# Allegro board T736_DEMO_CORE_AXP8191_LP4_4X_32X1_V0_5-draft.brd (continued)
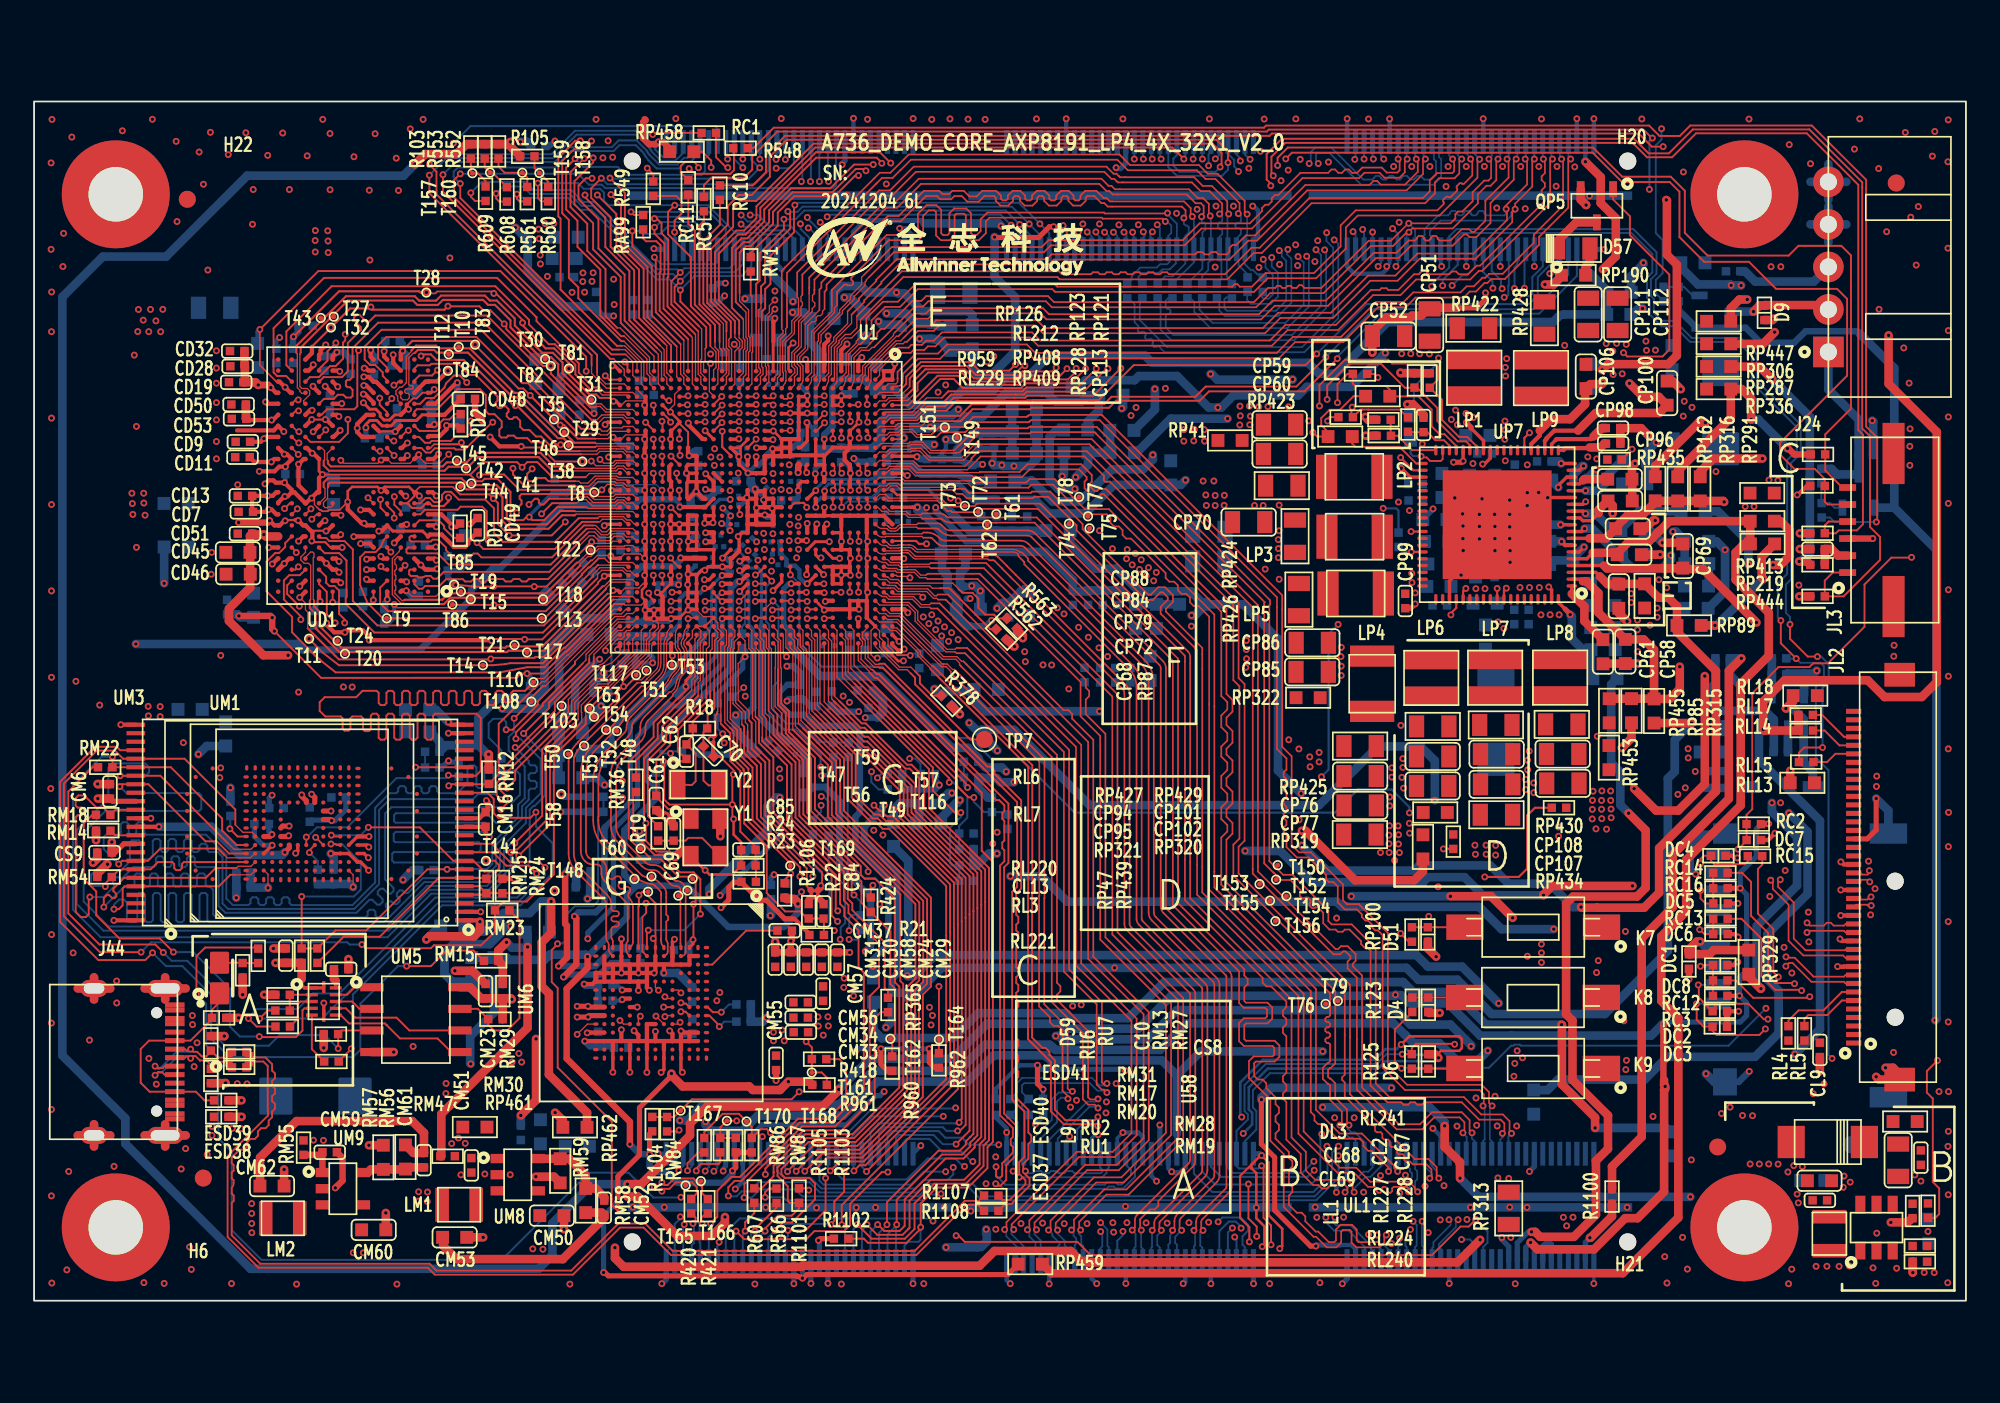
[diagram p0: board, top side]
## Routing (per net, layer and track width the routed paths; a pad name or vN(x,y) marks a point on that pad's centre or on a via; arc(x,y) is an arc through that point) (continued)
MCSIB-D0N-1: length 62.4
  TOP w0.076: 53.3,47.14 53.26,47.18 50.24,47.18 50.17,47.24 50.17,47.25 50.03,47.4 50.02,47.4 49.67,47.4 U1.C16
  TOP w0.102: v1(77.56,6.38) 77.47,6.47 77.47,6.78 77.14,7.11 75.27,7.11 74.72,7.66 74.72,8.75 73.88,9.6 73.88,17.71 67.92,23.67 67.92,25.81 67.92,37.45 67.92,37.45 67.92,37.87 arc(67.89,38.03) 67.8,38.16 59.1,46.86 55.4,46.86 55.26,46.71 54.7,46.71 T73.1 54.64,46.68 54.04,46.68 53.99,46.73 53.71,46.73 53.3,47.14
  BOTTOM w0.102: v1(77.56,6.38) 77.56,6.6 78.24,7.28 78.51,7.28 79.14,7.91 J48.129
MCSIB-D0P-1: length 62.5
  TOP w0.076: 53.34,46.74 53.32,46.76 53.32,46.78 53.07,47.03 50.17,47.03 50.05,47.15 U1.B16
  TOP w0.102: T72.1 55.48,46.39 55.48,46.51 ; 53.34,46.74 53.65,46.42 53.87,46.42 53.94,46.36 55.33,46.36 55.48,46.51 ; 55.48,46.51 55.52,46.55 58.98,46.55 67.59,37.94 arc(67.61,37.91) 67.62,37.87 67.62,37.58 67.62,25.94 67.62,25.94 67.62,23.54 72.18,18.98 72.18,18.69 72.4,18.48 72.68,18.48 73.57,17.59 73.57,17.26 73.37,17.06 73.37,16.76 73.57,16.56 73.57,16.25 73.37,16.05 73.37,15.75 73.57,15.55 73.57,13.4 73.37,13.2 73.37,12.89 73.57,12.69 73.57,12.39 73.37,12.18 73.37,11.88 73.57,11.68 73.57,9.47 74.42,8.62 74.42,7.53 75.15,6.8 75.45,6.8 75.65,6.6 75.96,6.6 76.16,6.8 77.01,6.8 77.16,6.65 77.16,6.52 v1(77.02,6.38)
  BOTTOM w0.102: v1(77.02,6.38) 77.14,6.5 77.14,6.61 78.11,7.59 78.39,7.59 78.64,7.84 J48.127
MCSIB-D1N-1: length 67
  TOP w0.076: 54.26,47.74 54.12,47.74 54.04,47.82 51,47.82 50.76,48.05 50.25,48.05 50.1,47.9 49.67,47.9 U1.C15
  TOP w0.102: T75.1 62.01,45.32 61.83,45.14 ; 61.83,45.14 65.46,41.5 65.59,41.5 65.61,41.5 66.05,41.94 66.44,41.94 66.68,41.71 66.91,41.48 66.91,41.08 66.49,40.66 66.49,40.52 68.28,38.73 68.63,38.38 68.63,38 68.63,38 68.63,37.16 68.63,25.52 68.63,25.52 68.63,24 74.59,18.05 74.59,18.01 74.59,18.01 74.59,9.95 76.72,7.82 77.68,7.82 78.5,7 80.78,7 81.11,6.67 81.11,6.58 v1(81.29,6.4) ; 61.83,45.14 61.6,45.36 61.6,45.66 59.7,47.57 58.63,47.57 58.55,47.49 56.82,47.49 56.82,47.48 54.92,47.48 54.67,47.74 54.26,47.74
  BOTTOM w0.102: J48.137 81.14,7.74 81.26,7.62 81.26,7.14 81.14,7.02 81.14,6.55 v1(81.29,6.4)
MCSIB-D1P-1: length 66.9
  TOP w0.076: 54.21,47.43 53.98,47.66 50.93,47.66 50.7,47.9 50.31,47.9 50.06,47.65 U1.B15
  TOP w0.102: T74.1 60.8,45.76 60.94,45.89 ; v1(80.75,6.4) 80.78,6.43 80.78,6.57 80.65,6.69 79.88,6.69 79.79,6.6 79.79,6.44 79.7,6.35 79.57,6.35 79.48,6.44 79.48,6.6 79.39,6.69 79.27,6.69 79.18,6.6 79.18,6.44 79.09,6.35 78.96,6.35 78.87,6.44 78.87,6.6 78.78,6.69 78.37,6.69 77.55,7.51 76.59,7.51 74.28,9.82 74.28,17.88 74.28,17.88 74.28,17.92 68.33,23.87 68.33,25.64 68.33,25.64 68.33,37.28 68.33,38.25 66.19,40.39 66.19,40.79 66.6,41.21 66.6,41.35 66.32,41.64 66.17,41.64 65.73,41.2 65.72,41.2 65.34,41.2 61.25,45.29 61.25,45.58 60.94,45.89 ; 60.94,45.89 59.91,46.92 59.57,47.26 58.76,47.26 58.68,47.18 56.95,47.18 56.94,47.18 54.8,47.18 54.54,47.43 54.21,47.43
  BOTTOM w0.102: v1(80.75,6.4) 80.83,6.49 80.83,7.14 80.96,7.26 80.96,7.49 80.83,7.61 80.83,7.75 80.64,7.94 J48.135
MCSIB-D2N-1: length 62.9
  TOP w0.076: 55.56,48.72 55.52,48.68 51.85,48.68 51.48,49.05 50.26,49.05 50.17,48.96 50.16,48.96 50.1,48.9 49.67,48.9 U1.C13
  TOP w0.102: 76.45,17.62 76.45,18.2 70.05,24.59 70.05,24.93 70.05,24.93 70.05,27.1 70.41,27.46 70.41,28.09 70.05,28.44 70.05,28.88 70.41,29.23 70.41,29.93 70.05,30.28 70.05,30.72 70.41,31.07 70.41,31.76 70.05,32.11 70.05,32.45 70.41,32.81 70.41,33.49 70.05,33.85 70.05,34.28 70.41,34.63 70.41,35.32 70.05,35.68 70.05,40.64 62.97,47.72 62.57,47.72 62.45,47.6 62.31,47.6 62.02,47.89 62.02,48.03 62.14,48.15 62.14,48.55 61.51,49.18 58.36,49.18 57.91,48.72 55.56,48.72 ; 76.45,17.62 T79.1 ; 76.45,17.62 76.45,17.62 76.45,13.95 76.17,13.67 76.13,13.67 76.02,13.57 76.02,13.16 76.13,13.06 76.17,13.06 76.45,12.78 76.45,11.93 77.14,11.24 77.14,10.42 77.24,10.32 v1(77.25,10.32)
  BOTTOM w0.102: v1(77.25,10.32) 77.18,10.25 77.18,10.11 77.39,9.9 77.6,9.9 78.14,9.36 J48.125
MCSIB-D2P-1: length 63
  TOP w0.076: 55.56,48.42 55.44,48.42 55.41,48.44 55.16,48.44 55.11,48.49 51.79,48.49 51.39,48.9 50.32,48.9 50.24,48.81 50.23,48.81 50.06,48.65 U1.B13
  TOP w0.102: T76.1 76.14,17.45 76.14,17.45 ; 55.56,48.42 58.03,48.42 58.49,48.87 61.39,48.87 61.84,48.42 61.84,48.28 61.72,48.16 61.72,47.76 62.19,47.3 62.58,47.3 62.7,47.41 62.84,47.41 69.75,40.51 69.75,35.55 70.1,35.2 70.1,34.76 69.75,34.41 69.75,33.72 70.1,33.37 70.1,32.93 69.75,32.58 69.75,31.99 70.1,31.63 70.1,31.2 69.75,30.84 69.75,30.16 70.1,29.8 70.1,29.36 69.75,29 69.75,28.32 70.1,27.96 70.1,27.58 69.75,27.23 69.75,25.05 69.75,24.46 76.14,18.07 76.14,17.45 ; 76.14,17.45 76.14,16.77 76.05,16.68 75.95,16.68 75.86,16.6 75.86,16.47 75.95,16.38 76.05,16.38 76.14,16.29 76.14,16.16 76.05,16.07 75.95,16.07 75.86,15.99 75.86,15.86 75.95,15.77 76.05,15.77 76.14,15.68 76.14,15.55 76.05,15.47 75.95,15.47 75.86,15.38 75.86,15.25 75.95,15.16 76.05,15.16 76.14,15.07 76.14,14.08 76.04,13.98 76,13.98 75.72,13.7 75.72,13.04 76,12.76 76.04,12.76 76.14,12.66 76.14,11.81 76.83,11.12 76.83,10.43 v1(76.72,10.32)
  BOTTOM w0.102: v1(76.72,10.32) 76.75,10.32 76.88,10.19 76.88,9.98 77.26,9.59 77.47,9.59 77.64,9.43 J48.123
MCSIB-D3N-1: length 66.9
  TOP w0.076: 55.01,49.38 54.69,49.06 51.97,49.06 51.67,49.36 50.06,49.36 50.03,49.4 49.67,49.4 U1.C12
  TOP w0.102: 55.01,49.38 55.08,49.45 55.08,49.53 55.49,49.94 61.85,49.94 70.44,41.35 70.77,41.02 70.77,40.93 70.77,40.93 70.77,36.61 71.12,36.25 71.12,27.04 70.77,26.69 70.77,25.12 72.49,23.4 72.49,23.4 ; 72.49,23.4 77.31,18.57 77.31,15.51 77.31,12.14 81.12,8.33 81.92,8.33 82.4,7.85 82.4,7.33 v1(82.53,7.2) ; 72.49,23.4 T155.1
  BOTTOM w0.102: J48.141 82.14,7.89 82.43,7.6 82.43,7.3 v1(82.53,7.2)
MCSIB-D3P-1: length 67
  TOP w0.076: 55.38,49.4 54.83,48.85 51.97,48.85 51.61,49.21 49.99,49.21 U1.B12
  TOP w0.102: 73.03,22.42 T156.1 ; 73.03,22.42 70.46,24.99 70.46,26.81 70.81,27.17 70.81,36.13 70.46,36.48 70.46,40.8 70.46,40.89 70.31,41.04 63.2,48.16 63.07,48.16 63.06,48.14 62.93,48.14 62.84,48.23 62.84,48.36 62.86,48.37 62.86,48.5 61.72,49.63 55.61,49.63 55.38,49.4 ; 73.03,22.42 77.01,18.45 77.01,15.64 77,15.64 77,13.29 76.85,13.13 76.85,12.98 77,12.83 77,12.02 78.35,10.67 78.35,10.43 78.45,10.34 78.68,10.34 78.78,10.24 78.78,10 78.88,9.91 79.12,9.91 79.21,9.81 79.21,9.57 79.31,9.47 79.55,9.47 79.64,9.38 79.64,9.14 79.74,9.04 79.98,9.04 80.07,8.95 80.07,8.71 80.17,8.61 80.41,8.61 80.51,8.52 80.51,8.28 80.6,8.18 80.84,8.18 80.99,8.03 81.79,8.03 82.1,7.72 82.1,7.3 v1(82,7.2)
  BOTTOM w0.102: J48.139 81.64,7.96 82.13,7.47 82.13,7.33 v1(82,7.2)
MCSIC-CKN-1: length 70.6
  TOP w0.076: 52.79,50.98 52.78,50.98 52.71,50.92 51.9,50.92 51.6,51.22 50.93,51.22 50.76,51.05 50.26,51.05 50.1,50.9 49.67,50.9 U1.C9
  TOP w0.102: 52.79,50.98 52.79,50.98 53.16,51.35 T151.1 53.56,51.35 53.57,51.37 54.59,51.37 55.18,51.96 58.32,51.96 58.36,52 58.39,52 58.47,52.08 62.72,52.08 62.76,52.05 73.33,41.48 73.33,40.64 73.33,32.57 73.88,32.01 73.88,26.8 74.32,26.36 75.01,26.36 76.9,24.47 76.9,23.54 77.13,23.31 77.84,23.31 79.54,21.61 79.54,13.82 80.67,12.69 85.05,12.69 85.48,12.26 85.48,11.64 v1(85.66,11.45)
  BOTTOM w0.102: v1(85.66,11.45) 85.53,11.32 85.53,9.48 85.64,9.37 J48.155
MCSIC-CKP-1: length 70.9
  TOP w0.076: 53.01,50.77 53.01,50.76 51.84,50.76 51.54,51.07 51,51.07 50.83,50.9 50.32,50.9 50.07,50.65 U1.B9
  TOP w0.102: 54.24,51.06 53.7,51.06 53.69,51.04 53.29,51.04 53.01,50.77 ; 54.24,51.06 54.22,51.04 T149.1 ; 54.24,51.06 54.71,51.06 55.31,51.65 58.44,51.65 58.49,51.7 58.52,51.7 58.6,51.77 62.6,51.77 73.02,41.35 73.02,40.76 73.02,32.44 73.58,31.88 73.58,31.23 73.41,31.06 73.41,30.82 73.58,30.66 73.58,30.42 73.41,30.25 73.41,30.01 73.58,29.84 73.58,29.6 73.41,29.44 73.41,29.2 73.58,29.03 73.58,28.79 73.41,28.62 73.41,28.38 73.58,28.22 73.58,27.98 73.41,27.81 73.41,27.57 73.58,27.41 73.58,26.67 74.19,26.06 74.89,26.06 75.33,25.61 75.33,25.34 75.49,25.19 75.75,25.19 75.91,25.03 75.91,24.77 76.06,24.61 76.33,24.61 76.59,24.35 76.59,23.42 77.01,23.01 77.71,23.01 78.01,22.71 78.01,22.56 78.22,22.35 78.37,22.35 78.58,22.14 78.58,21.98 78.79,21.77 78.95,21.77 79.23,21.49 79.23,13.7 80.54,12.39 84.92,12.39 85.17,12.14 85.17,11.51 85.18,11.5 v1(85.13,11.45)
  BOTTOM w0.102: v1(85.13,11.45) 85.23,11.36 85.23,9.49 85.14,9.4 J48.153
MCSIC-D0N-1: length 69
  TOP w0.076: 55.57,50.66 54.48,49.57 52.64,49.57 52.1,50.11 51.51,50.11 51.45,50.05 50.26,50.05 50.17,49.96 50.16,49.96 50.1,49.9 49.67,49.9 U1.C11
  TOP w0.102: 73.47,23.68 T154.1 ; 73.47,23.68 73.47,23.67 76.47,20.67 76.61,20.67 76.78,20.84 77.18,20.84 77.64,20.37 77.64,19.98 77.48,19.81 77.48,19.67 78.02,19.12 78.02,15.22 78.02,15.22 78.02,12.54 80.18,10.38 81.43,10.38 82.13,11.08 83.88,11.08 84.34,10.62 84.34,10.01 v1(84.48,9.87) ; 73.47,23.68 73.46,23.68 71.9,25.24 71.9,25.51 71.9,25.52 71.9,40.89 70.82,41.97 62.13,50.66 55.57,50.66
  BOTTOM w0.102: J48.151 84.64,9.37 84.47,9.54 84.47,9.76 84.48,9.77 v1(84.48,9.87)
MCSIC-D0P-1: length 67.9
  TOP w0.076: 55.55,50.35 54.62,49.42 52.57,49.42 52.03,49.96 51.58,49.96 51.52,49.9 50.32,49.9 50.24,49.81 50.23,49.81 50.06,49.65 U1.B11
  TOP w0.102: 72.11,24.6 76.34,20.37 76.74,20.37 76.91,20.54 77.05,20.54 77.34,20.25 77.34,20.1 77.17,19.94 77.17,19.54 77.72,18.99 77.72,15.35 77.72,12.41 80.05,10.07 81.56,10.07 82.26,10.78 83.75,10.78 84.03,10.49 84.03,9.96 v1(83.95,9.87) ; 72.11,24.6 71.6,25.11 71.6,25.39 71.6,25.39 71.6,40.76 62.01,50.35 55.55,50.35 ; 72.11,24.6 T153.1
  BOTTOM w0.102: v1(83.95,9.87) 83.95,9.85 84.17,9.63 84.17,9.37 84.14,9.34 J48.149
MCSIC-D1N-1: length 71.3
  TOP w0.076: 54.24,50.17 54.06,49.99 52.69,49.99 52.2,50.48 51.45,50.48 51.37,50.4 50.87,50.4 49.85,50.4 49.74,50.36 U1.C10
  TOP w0.102: 72.94,25.48 T150.1 ; 72.94,25.48 72.57,25.84 72.57,40.89 72.61,40.93 72.61,41.18 62.56,51.24 62.43,51.37 58.47,51.37 58.39,51.29 55.36,51.29 54.24,50.17 ; 72.94,25.48 72.95,25.46 72.96,25.46 73.39,25.04 73.94,25.04 76.04,22.94 76.04,22.32 76.24,22.12 77.41,22.12 78.82,20.71 78.82,12.77 79.63,11.97 84,11.97 85.02,10.95 86.29,10.95 86.69,10.56 86.69,9.95 v1(86.8,9.84)
  BOTTOM w0.102: J48.159 86.64,9.37 86.62,9.39 86.62,9.66 v1(86.8,9.84)
MCSIC-D1P-1: length 71.3
  TOP w0.076: 54.45,49.95 54.36,49.86 54.22,49.86 54.19,49.84 54.12,49.84 52.63,49.84 52.13,50.33 51.52,50.33 51.43,50.24 50.81,50.24 50.02,50.24 U1.B10
  TOP w0.102: 73.1,24.89 72.82,25.17 72.81,25.17 72.27,25.71 72.27,41.02 72.31,41.06 62.38,50.99 62.3,51.06 58.6,51.06 58.52,50.99 55.49,50.99 54.45,49.95 ; 73.1,24.89 T152.1 ; 73.1,24.89 73.26,24.73 73.81,24.73 74.41,24.13 74.41,23.99 74.36,23.94 74.36,23.8 74.51,23.65 74.65,23.65 74.7,23.7 74.84,23.7 74.99,23.56 74.99,23.41 74.94,23.36 74.94,23.22 75.08,23.08 75.23,23.08 75.28,23.13 75.42,23.13 75.74,22.81 75.74,22.19 76.11,21.82 76.47,21.82 76.6,21.69 76.88,21.69 77.01,21.82 77.28,21.82 77.96,21.14 77.96,20.97 78.16,20.77 78.34,20.77 78.52,20.58 78.52,12.65 79.5,11.67 80.32,11.67 80.46,11.52 80.72,11.52 80.87,11.67 81.13,11.67 81.27,11.52 81.54,11.52 81.68,11.67 83.88,11.67 84.9,10.64 86.17,10.64 86.38,10.43 86.38,9.95 v1(86.27,9.84)
  BOTTOM w0.102: J48.157 86.14,9.47 86.31,9.64 86.31,9.79 v1(86.27,9.84)
NALE: length 27
  TOP w0.076: 29.41,35.97 29.83,36.39 30.02,36.39 34.01,40.37 34.5,40.37 34.78,40.65 U1.AM29
  TOP w0.114: v1(24.36,30.27) 24.45,30.36 UM3.17 26.7,30.36 RM12.1 27.3,30.97 27.3,33.92 29.35,35.97 29.41,35.97 ; UM1.U5 v1(16.54,27.24)
  L4 w0.114: v1(16.54,27.24) 16.58,27.27 16.58,28.55 18.3,30.27 v1(24.36,30.27)
NCE0: length 48.1
  TOP w0.114: v1(12.6,16.6) 13.07,16.12 RM20.2 ; UM3.9 26.96,26.36 27.75,25.57 29.06,25.57 v1(29.52,25.11) ; U1.AF27 v1(37.48,41.65)
  L4 w0.114: v1(37.48,41.65) 37.45,41.65 37,41.2 35.97,41.2 34.99,40.21 34.99,37.18 32.04,34.23 32.04,28.32 29.52,25.8 v1(29.52,25.11)
  BOTTOM w0.114: v1(12.6,16.6) 12.6,16.63 13.11,17.15 15.48,17.15 16.39,18.06 17.94,18.06 23.57,23.7 25.95,23.7 25.95,23.7 26.52,23.7 26.9,23.7 26.9,23.7 28.38,23.7 29.52,24.84 v1(29.52,25.11)
NCE1: length 46.4
  TOP w0.114: v1(30.02,25.48) 29.69,25.8 27.95,25.8 26.89,26.86 UM3.10 ; v1(13.25,16.59) 13.73,17.06 RM17.2 ; U1.AF28 37.46,41.15 v1(37.42,41.11)
  L4 w0.114: v1(37.42,41.11) 36.79,40.48 36.79,39.91 35.28,38.4 35.28,35.96 32.44,33.12 32.44,27.91 v1(30.02,25.48)
  BOTTOM w0.114: v1(13.25,16.59) 16.92,16.59 23.81,23.47 25.85,23.47 26.42,23.47 26.99,23.47 26.99,23.47 28.48,23.47 30.02,25.01 v1(30.02,25.48)
NCLE: length 44.6
  TOP w0.114: U1.AJ28 36.2,41.37 36.2,41.5 36.11,41.59 v1(36.11,41.6) ; RM19.2 18.64,14.81 v1(18.64,14.81) ; UM3.16 26.64,29.86 27,29.5 27,28.66 27.28,28.39 29.15,28.39 v1(29.49,28.72)
  L4 w0.114: v1(29.49,28.72) 29.54,28.77 29.54,32.43 34.68,37.57 34.68,40.2 36.08,41.6 v1(36.11,41.6)
  BOTTOM w0.114: v1(29.49,28.72) 29.49,27.88 30.47,26.89 30.47,25.14 28.57,23.24 27.09,23.24 26.33,23.24 25.76,23.24 23.97,23.24 18.73,18.01 18.73,14.91 v1(18.64,14.81)
NDQ0: length 72.4
  TOP w0.076: 11.82,27.98 12.26,27.54 12.82,27.54 12.99,27.36 UM1.J6 ; 32.41,34.33 32.41,34.62 32.34,34.69 32.34,34.94 33.36,35.95 33.74,35.95 33.87,35.95 35.98,38.06 35.98,38.85 36.17,39.04 36.17,39.4 U1.AJ31
  TOP w0.114: v1(6.29,20.49) 3.87,20.49 1.76,22.6 1.76,30.4 3.69,32.34 4.76,32.34 5.23,31.86 UM3.29 8.84,31.86 11.82,28.88 11.82,27.98 ; v1(19.26,20.94) 19.48,20.72 23.32,20.72 23.49,20.89 26.26,20.89 27.08,21.72 RM23.2 27.6,23.47 28.94,23.47 30.54,25.06 30.54,32.03 32.41,33.9 32.41,34.33
  BOTTOM w0.114: v1(6.29,20.49) 6.87,21.07 18.4,21.07 18.54,20.94 v1(19.26,20.94)
NDQ1: length 66.7
  TOP w0.076: 32.04,33.88 32.17,34.01 32.17,34.58 32.15,34.61 32.15,35.02 33.24,36.11 33.81,36.11 35.83,38.13 35.83,39.05 U1.AK32
  TOP w0.114: v1(4.61,31.98) RM22.2 4.61,31.36 UM3.30 8.04,31.36 11.05,28.35 11.05,27.64 11.9,26.79 UM1.H5 ; 32.04,33.88 30.31,32.15 30.31,28 v1(28.48,26.16)
  BOTTOM w0.114: v1(4.61,31.98) 3.97,31.98 2.28,30.29 2.28,23 3.91,21.37 20.77,21.37 23.33,23.93 26.04,23.93 26.61,23.93 26.8,23.93 28.23,25.36 28.23,25.92 v1(28.48,26.16)
NDQ2: length 68.9
  TOP w0.076: UM1.J5 12.74,26.54 11.74,26.54 11.36,26.92 ; U1.AK31 35.67,39.4 35.67,39.11 35.67,39.11 35.67,38.19 33.74,36.26 33.12,36.26 31.96,35.09 31.96,34.53 31.97,34.52 31.97,34.18
  TOP w0.114: v1(5.06,30.86) UM3.31 7.42,30.86 11.36,26.92 ; 31.97,34.18 30.08,32.29 30.08,28.23 28.38,26.53 28.18,26.53 v1(28,26.35)
  BOTTOM w0.114: v1(28,26.35) 28,25.45 26.71,24.16 26.14,24.16 23.24,24.16 20.83,21.76 4.08,21.76 2.51,23.32 2.51,27.66 4.36,29.52 4.36,31.33 4.62,31.59 6.52,31.59 6.76,31.35 6.76,31.06 6.56,30.86 v1(5.06,30.86)
NDQ3: length 70.2
  TOP w0.076: 31.76,34.38 31.77,34.4 31.77,35.17 33.01,36.41 33.68,36.41 35.42,38.16 U1.AL33
  TOP w0.114: UM1.H4 11.46,26.29 10.74,27.01 10.07,27.01 6.72,30.36 UM3.32 5.18,30.36 v1(5.04,30.23) ; v1(28.25,26.9) 29.85,28.51 29.85,32.42 31.76,34.32 31.76,34.38
  BOTTOM w0.114: v1(28.25,26.9) 28.04,26.9 27.61,26.47 27.61,25.38 26.61,24.39 26.23,24.39 26.23,24.39 23.09,24.39 20.7,22 4.38,22 2.92,23.46 2.92,27.51 4.2,28.79 9.7,28.79 9.83,28.92 9.83,29.7 9.68,29.85 5.42,29.85 v1(5.04,30.23)
NDQ4: length 66.3
  TOP w0.076: 11.17,26.21 11.34,26.04 12.71,26.04 12.96,26.29 UM1.J4 ; U1.AL32 35.17,38.9 35.17,38.12 33.64,36.59 32.91,36.59 31.58,35.25 31.58,34.5 31.38,34.31
  TOP w0.114: 11.17,26.21 10.79,26.59 7.42,26.59 6.69,25.86 UM3.41 5.17,25.86 v1(4.97,25.67) ; v1(27.78,30.14) 28.27,30.62 28.27,31.17 31.38,34.29 31.38,34.31
  BOTTOM w0.114: v1(4.97,25.67) 4.09,26.55 4.09,27.26 4.23,27.4 4.98,27.4 5.1,27.51 5.1,28.02 5.21,28.13 5.44,28.13 5.56,28.02 5.56,27.51 5.67,27.4 5.9,27.4 6.01,27.51 6.01,28.02 6.13,28.13 6.36,28.13 6.47,28.02 6.47,27.51 6.58,27.4 10.1,27.4 11.3,26.2 11.3,23.64 11.67,23.26 12.61,23.26 12.72,23.38 12.72,23.6 12.83,23.71 13.06,23.71 13.18,23.6 13.18,23.38 13.29,23.26 13.52,23.26 13.63,23.38 13.63,23.6 13.75,23.71 13.98,23.71 14.09,23.6 14.09,23.38 14.21,23.26 14.44,23.26 14.55,23.38 14.55,23.6 14.66,23.71 14.89,23.71 15.01,23.6 15.01,23.38 15.12,23.26 18.72,23.26 20.04,24.59 20.04,28.98 20.89,29.84 21.28,29.84 21.39,29.95 21.39,30.14 21.51,30.25 21.74,30.25 21.85,30.14 21.85,29.95 21.97,29.84 22.19,29.84 22.31,29.95 22.31,30.14 22.42,30.25 22.65,30.25 22.77,30.14 22.77,29.95 22.88,29.84 23.11,29.84 23.22,29.95 23.22,30.14 23.34,30.25 23.57,30.25 23.68,30.14 23.68,29.95 23.79,29.84 24.86,29.84 25.47,30.44 25.47,31.35 25.58,31.46 25.87,31.46 25.99,31.35 25.99,30.25 26.1,30.14 26.28,30.14 26.45,30.31 26.45,31.35 26.57,31.46 26.88,31.46 27,31.35 27,30.25 27.11,30.14 v1(27.78,30.14)
NDQ5: length 65.2
  TOP w0.076: 33.05,37.31 33.25,37.39 33.27,37.39 33.42,37.45 33.44,37.47 33.46,37.48 33.93,37.94 33.93,38.55 34.28,38.9 34.53,38.9 34.67,39.05 34.67,39.25 34.82,39.4 35.02,39.4 35.03,39.4 35.17,39.54 35.17,39.55 35.27,39.65 U1.AL31
  TOP w0.114: v1(4.19,24.35) 4.19,24.53 RM54.1 4.96,25.31 5.12,25.31 5.18,25.36 UM3.42 6.85,25.36 7.28,25.79 8.12,25.79 8.23,25.68 8.23,25.43 8.35,25.31 8.58,25.31 8.69,25.43 8.69,25.68 8.81,25.79 UM1.H3 ; 33.05,37.31 30.99,35.25 T103.1 30.99,34.74 27.61,31.36 27.61,30.87 27.19,30.45 27.19,29.71 v1(27.44,29.45)
  BOTTOM w0.114: v1(4.19,24.35) 4.15,24.38 3.47,24.38 3.36,24.5 3.36,25.04 3.61,25.3 5.11,25.3 5.63,25.82 5.63,26.95 5.75,27.07 6.16,27.07 6.28,26.94 6.28,26.06 6.4,25.94 6.75,25.94 6.97,26.17 6.97,27.03 7.09,27.14 7.32,27.14 7.43,27.03 7.43,26.5 7.55,26.38 7.77,26.38 7.89,26.5 7.89,27.03 8,27.14 8.23,27.14 8.35,27.03 8.35,26.5 8.46,26.38 8.69,26.38 8.8,26.5 8.8,27.03 8.92,27.14 9.15,27.14 9.26,27.03 9.26,26.5 9.38,26.38 9.6,26.38 9.72,26.5 9.72,26.75 9.83,26.86 10.06,26.86 10.18,26.75 10.18,26.5 10.29,26.38 10.57,26.38 10.57,26.38 10.78,26.38 11.07,26.09 11.07,23.36 11.39,23.03 18.81,23.03 20.27,24.49 20.27,28.85 20.91,29.49 25.79,29.49 26.08,29.78 27.12,29.78 v1(27.44,29.45)
NDQ6: length 65.2
  TOP w0.076: 32.89,37.85 32.89,37.99 34.3,39.4 34.55,39.4 34.8,39.65 U1.AM31 ; 11.89,25.44 11.99,25.54 12.74,25.54 UM1.J3
  TOP w0.114: v1(28.27,32.53) 28.46,32.53 30.6,34.67 30.6,35.17 32.89,37.46 32.89,37.85 ; 11.89,25.44 10.67,25.44 10.09,24.86 UM3.43 5.29,24.86 4.66,24.23 4.66,24.09 4.83,23.91 4.83,23.77 4.73,23.67 4.59,23.67 4.41,23.85 4.27,23.85 4.1,23.68 v1(4.1,23.14)
  BOTTOM w0.114: v1(28.27,32.53) 29.06,31.74 29.06,31.59 29.17,31.48 29.42,31.48 29.54,31.36 29.54,31.13 29.42,31.02 29.17,31.02 29.06,30.9 29.06,30.68 29.17,30.56 29.42,30.56 29.54,30.45 29.54,30.22 29.42,30.1 29.17,30.1 29.06,29.99 29.06,29.45 28.67,29.06 28.67,28.32 27.15,26.81 27.15,25.57 26.42,24.84 22.84,24.84 21.96,23.96 21.8,23.96 21.64,24.12 21.48,24.12 21.32,23.96 21.32,23.8 21.47,23.64 21.47,23.48 21.31,23.32 21.15,23.32 20.99,23.47 20.83,23.47 20.67,23.31 20.67,23.15 20.83,22.99 20.83,22.83 20.53,22.54 20.17,22.54 20.06,22.65 20.06,22.87 19.94,22.98 19.71,22.98 19.6,22.87 19.6,22.65 19.48,22.54 10.69,22.54 10.52,22.71 10.52,24.16 10.33,24.35 10.21,24.35 10.08,24.48 10.08,25 9.97,25.11 9.7,25.11 9.57,24.98 9.57,24.46 9.46,24.35 9.21,24.35 9.1,24.46 9.1,25 8.98,25.11 8.76,25.11 8.64,25 8.64,24.46 8.53,24.35 8.3,24.35 8.18,24.46 8.18,25 8.07,25.11 7.84,25.11 7.73,25 7.73,24.46 7.61,24.35 7.38,24.35 7.27,24.46 7.27,25 7.16,25.11 6.93,25.11 6.81,25 6.81,24.46 6.7,24.35 6.47,24.35 6.36,24.46 6.36,25 6.24,25.11 6.01,25.11 5.9,25 5.9,24.46 5.78,24.35 5.3,24.35 v1(4.1,23.14)
NDQ7: length 71
  TOP w0.076: U1.AL30 35.17,39.9 34.32,39.9 32.42,38 32.42,37.66 32.23,37.47 32.23,37.45 ; 11.77,25.04 12.74,25.04 12.99,25.29 UM1.J2
  TOP w0.114: 32.23,37.45 29.88,35.11 29.88,34.98 28.31,33.41 v1(28.31,33.04) ; v1(4.69,23.02) 4.98,23.02 5.21,23.24 5.21,24.24 5.32,24.36 UM3.44 10.86,24.36 11.53,25.04 11.77,25.04
  BOTTOM w0.114: v1(4.69,23.02) 4.69,23.28 5,23.59 5.27,23.59 5.45,23.41 5.45,22.44 5.63,22.26 5.95,22.26 6.07,22.37 6.07,23.85 6.18,23.97 6.41,23.97 6.52,23.85 6.52,22.37 6.64,22.26 6.87,22.26 6.98,22.37 6.98,23.85 7.09,23.97 7.32,23.97 7.44,23.85 7.44,22.37 7.55,22.26 7.78,22.26 7.9,22.37 7.9,23.85 8.01,23.97 8.24,23.97 8.35,23.85 8.35,22.37 8.47,22.26 8.7,22.26 8.81,22.37 8.81,23.85 8.92,23.97 9.15,23.97 9.27,23.85 9.27,22.37 9.38,22.26 9.61,22.26 9.72,22.37 9.72,23.85 9.84,23.97 10.07,23.97 10.18,23.85 10.18,22.37 10.3,22.26 20.58,22.26 22.93,24.61 26.33,24.61 26.52,24.61 27.38,25.47 27.38,26.56 28.89,28.08 28.89,28.96 29.29,29.36 29.76,29.83 29.76,31.84 28.57,33.04 v1(28.31,33.04)
NDQS: length 65.3
  TOP w0.076: 31.15,34.38 31.39,34.62 31.39,35.34 33.26,37.22 33.96,37.51 34.67,38.22 34.67,38.75 34.92,39 U1.AM32
  TOP w0.114: 31.15,34.38 31.1,34.38 27.84,31.12 27.84,30.77 27.42,30.36 27.42,29.99 27.83,29.58 27.83,29.28 v1(27.43,28.88) ; v1(3.28,23.73) 3.21,23.66 3.21,22.72 3.05,22.56 2.74,22.56 2.45,22.85 2.45,28.42 2.56,28.54 2.79,28.54 2.91,28.65 2.91,28.88 2.79,28.99 2.56,28.99 2.45,29.11 2.45,29.55 2.6,29.7 2.95,29.7 3.66,28.99 4.07,28.99 RM18.2 4.78,28.86 UM3.35
  BOTTOM w0.114: v1(27.43,28.88) 27.3,29.01 21,29.01 20.63,28.64 20.63,24.76 21.13,24.26 21.13,24.09 20.96,23.93 20.8,23.93 20.52,24.22 20.36,24.22 20.19,24.06 20.19,23.89 20.48,23.61 20.48,23.45 20.32,23.29 20.16,23.29 19.87,23.57 19.71,23.57 18.94,22.81 11.24,22.81 10.84,23.21 10.84,25.31 10.66,25.49 9.56,25.49 9.45,25.61 9.45,26.01 9.33,26.13 9.1,26.13 8.99,26.01 8.99,25.61 8.87,25.49 8.65,25.49 8.53,25.61 8.53,26.01 8.42,26.13 8.19,26.13 8.07,26.01 8.07,25.61 7.96,25.49 7.73,25.49 7.62,25.61 7.62,26.01 7.5,26.13 7.27,26.13 7.16,26.01 7.16,25.61 7.05,25.49 5.84,25.49 5.18,24.83 5.02,24.83 4.96,24.89 4.8,24.89 4.64,24.73 4.64,24.57 4.7,24.51 4.7,24.35 4.08,23.73 v1(3.28,23.73)
NRB0: length 46
  TOP w0.076: 30.03,36.13 34.12,40.22 34.64,40.22 34.82,40.4 35.17,40.4 U1.AL29
  TOP w0.114: 30.03,36.13 29.89,36.13 29.22,35.45 T108.1 29.19,35.22 v1(28.21,34.24) ; v1(17.44,26.85) 17.71,26.85 17.77,26.79 UM1.W5 ; v1(15.72,23.76) RM13.1 RM27.2 17.71,21.77 19.52,21.77 23.11,25.36 v1(24.26,25.36) UM3.7
  BOTTOM w0.114: v1(15.72,23.76) 18.79,23.76 19.2,24.17 19.2,25.75 18.1,26.85 v1(17.44,26.85) ; v1(28.21,34.24) 28.21,33.46 27.88,33.14 27.88,32.34 28.83,31.39 28.83,29.54 28.44,29.15 28.44,28.42 26.92,26.9 26.92,25.68 26.62,25.38 T140.1 24.28,25.38 v1(24.26,25.36) 23.52,25.36 RM26.1
NRB1: length 23.8
  TOP w0.076: U1.AN31 34.33,39.65 32.62,37.94 32.62,37.76 32.61,37.75
  TOP w0.114: UM3.4 26.48,23.86 RM25.2 ; 32.61,37.75 32.61,37.51 30.26,35.16 30.26,34.85 v1(28.76,33.35) ; RM25.2 RM24.1 28.09,23.96 v1(28.28,24.15) ; RM25.2 26.17,24.36 UM3.5